# Altium PCB BytePipe_x9002_HDK_Rev2.PcbDoc (part 1 of 5)
Units mil, origin at the board's own origin, x right, y up, seen from the top; angles counter-clockwise.
Board outline 4250 x 4250 mil, 8 copper layers (Top Layer, L2-GND, L3-SIG, L4-GND, L5-PWR, L6-SIG, L7-GND, Bottom Layer), stack 63 mil thick; 296 components, 250 nets, 1198 pads, 2326 vias.
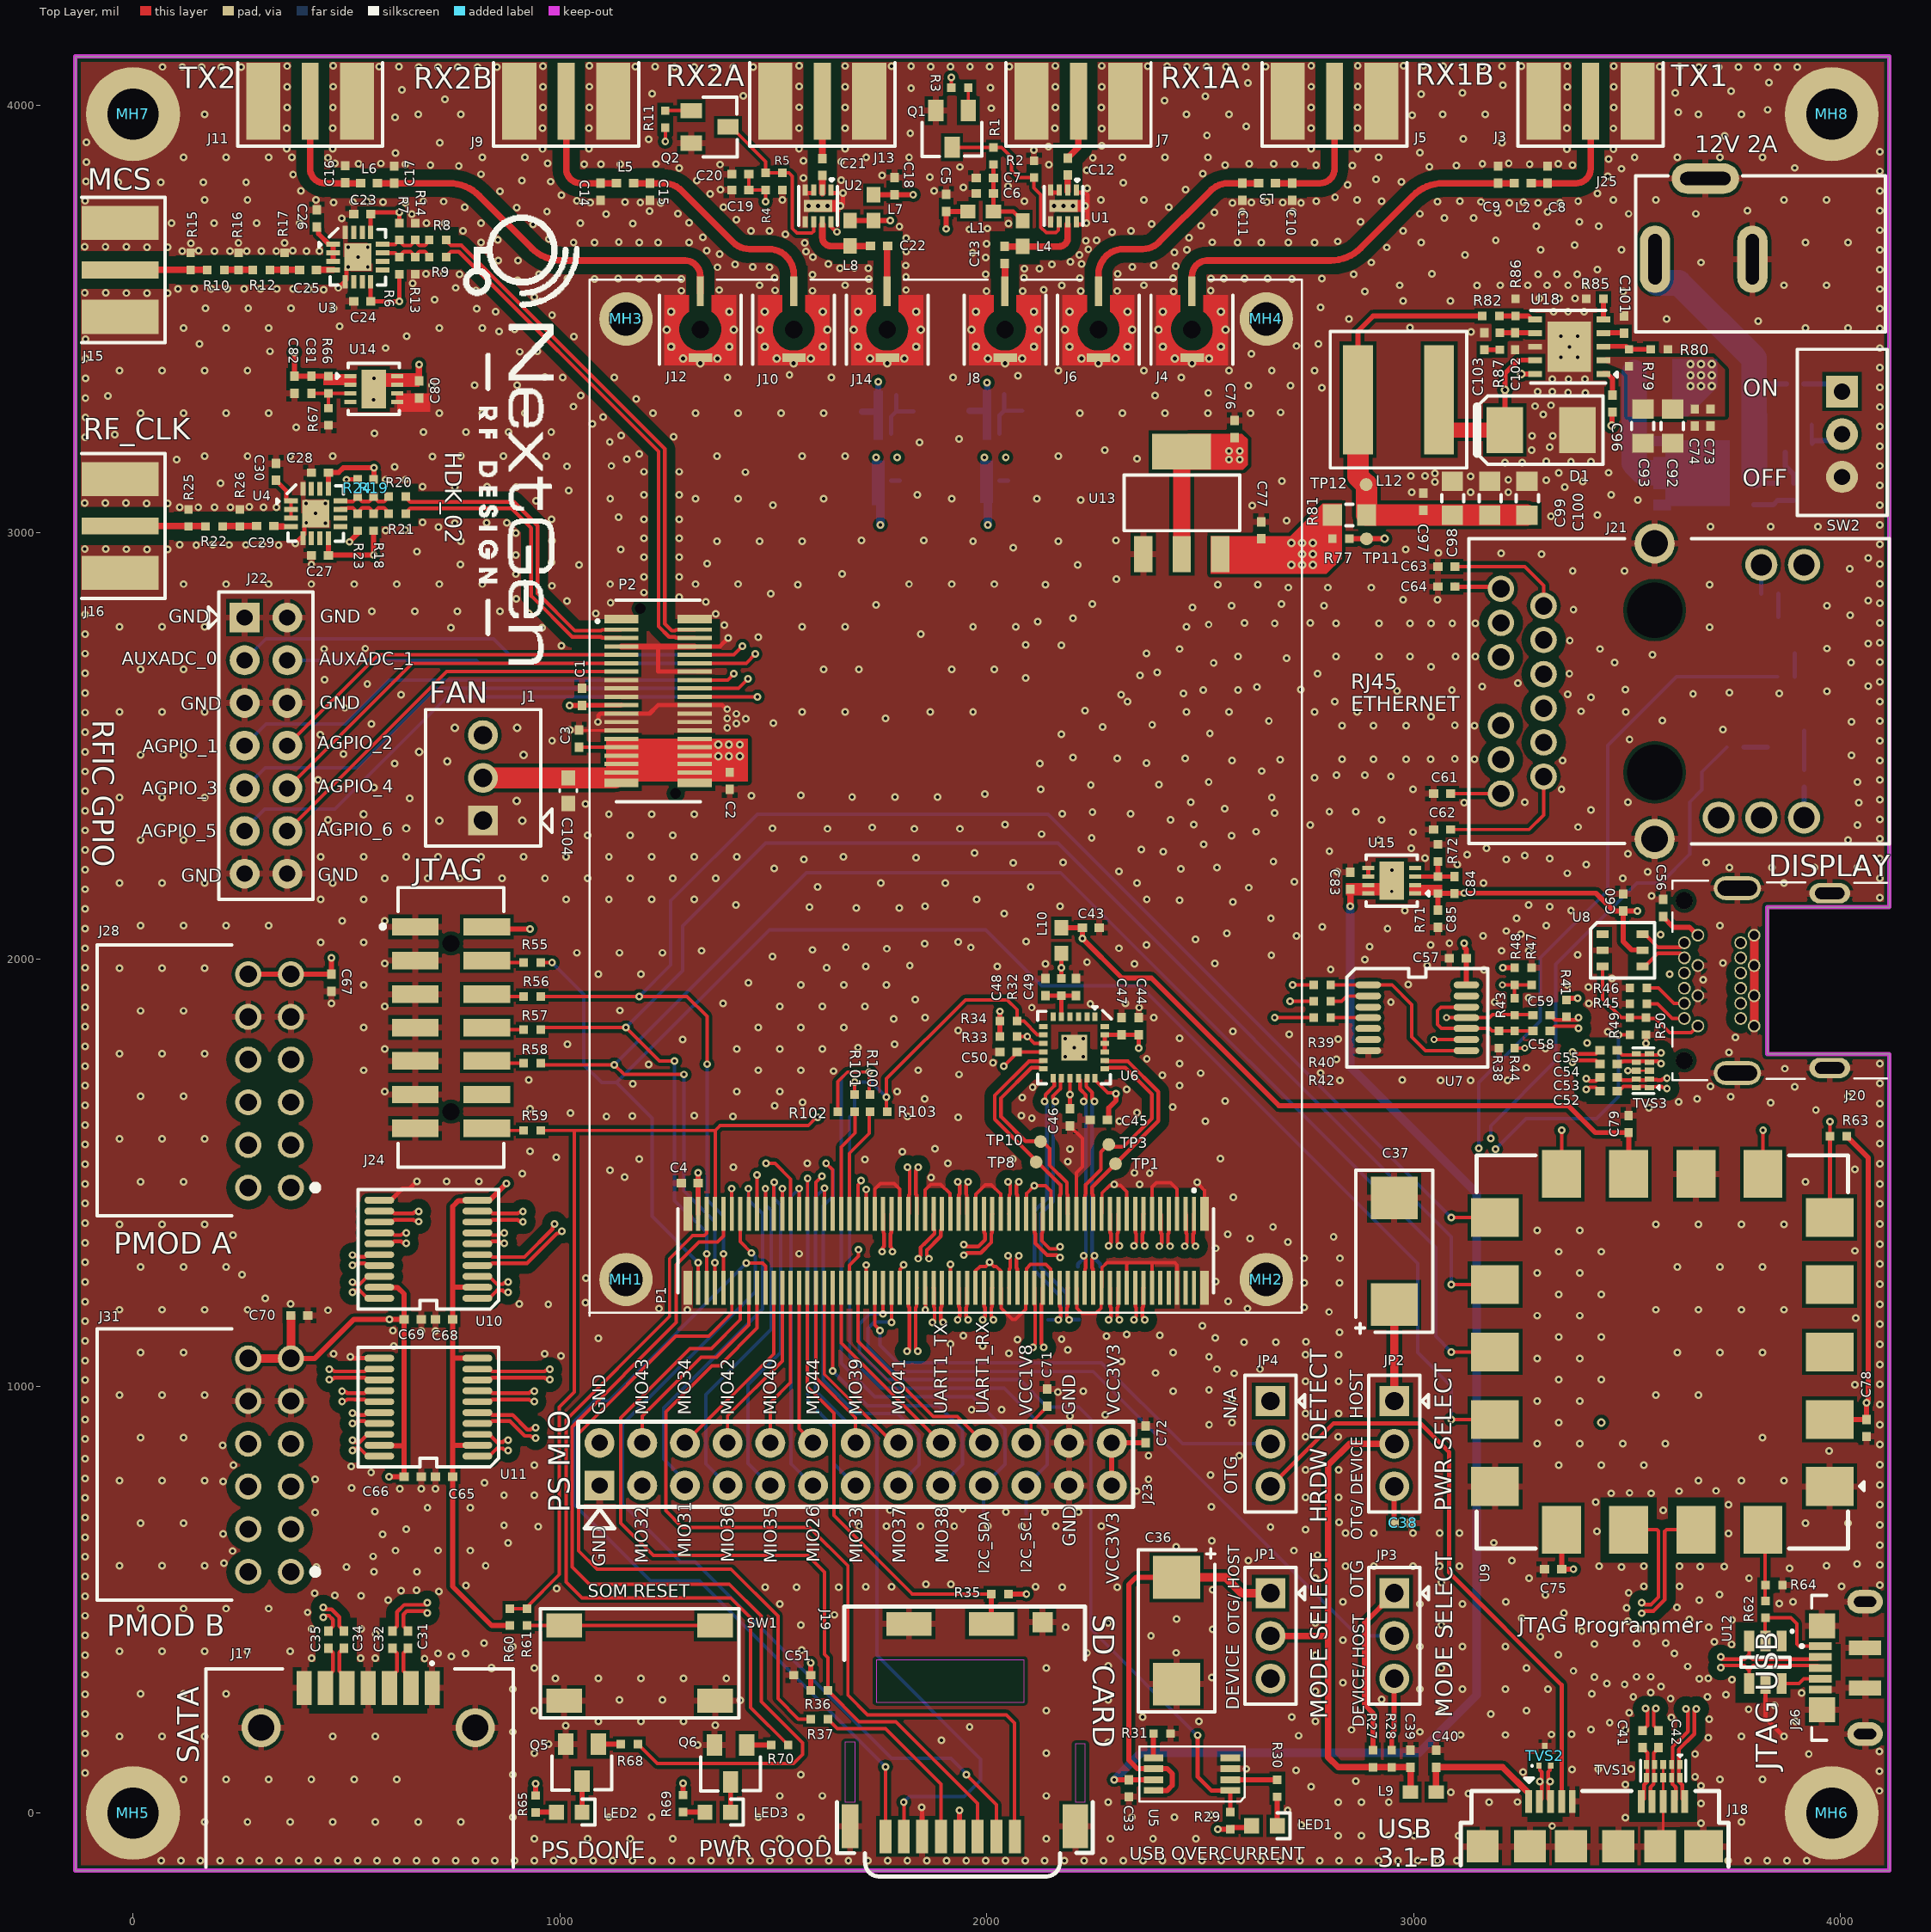
[diagram p0: Top Layer view]
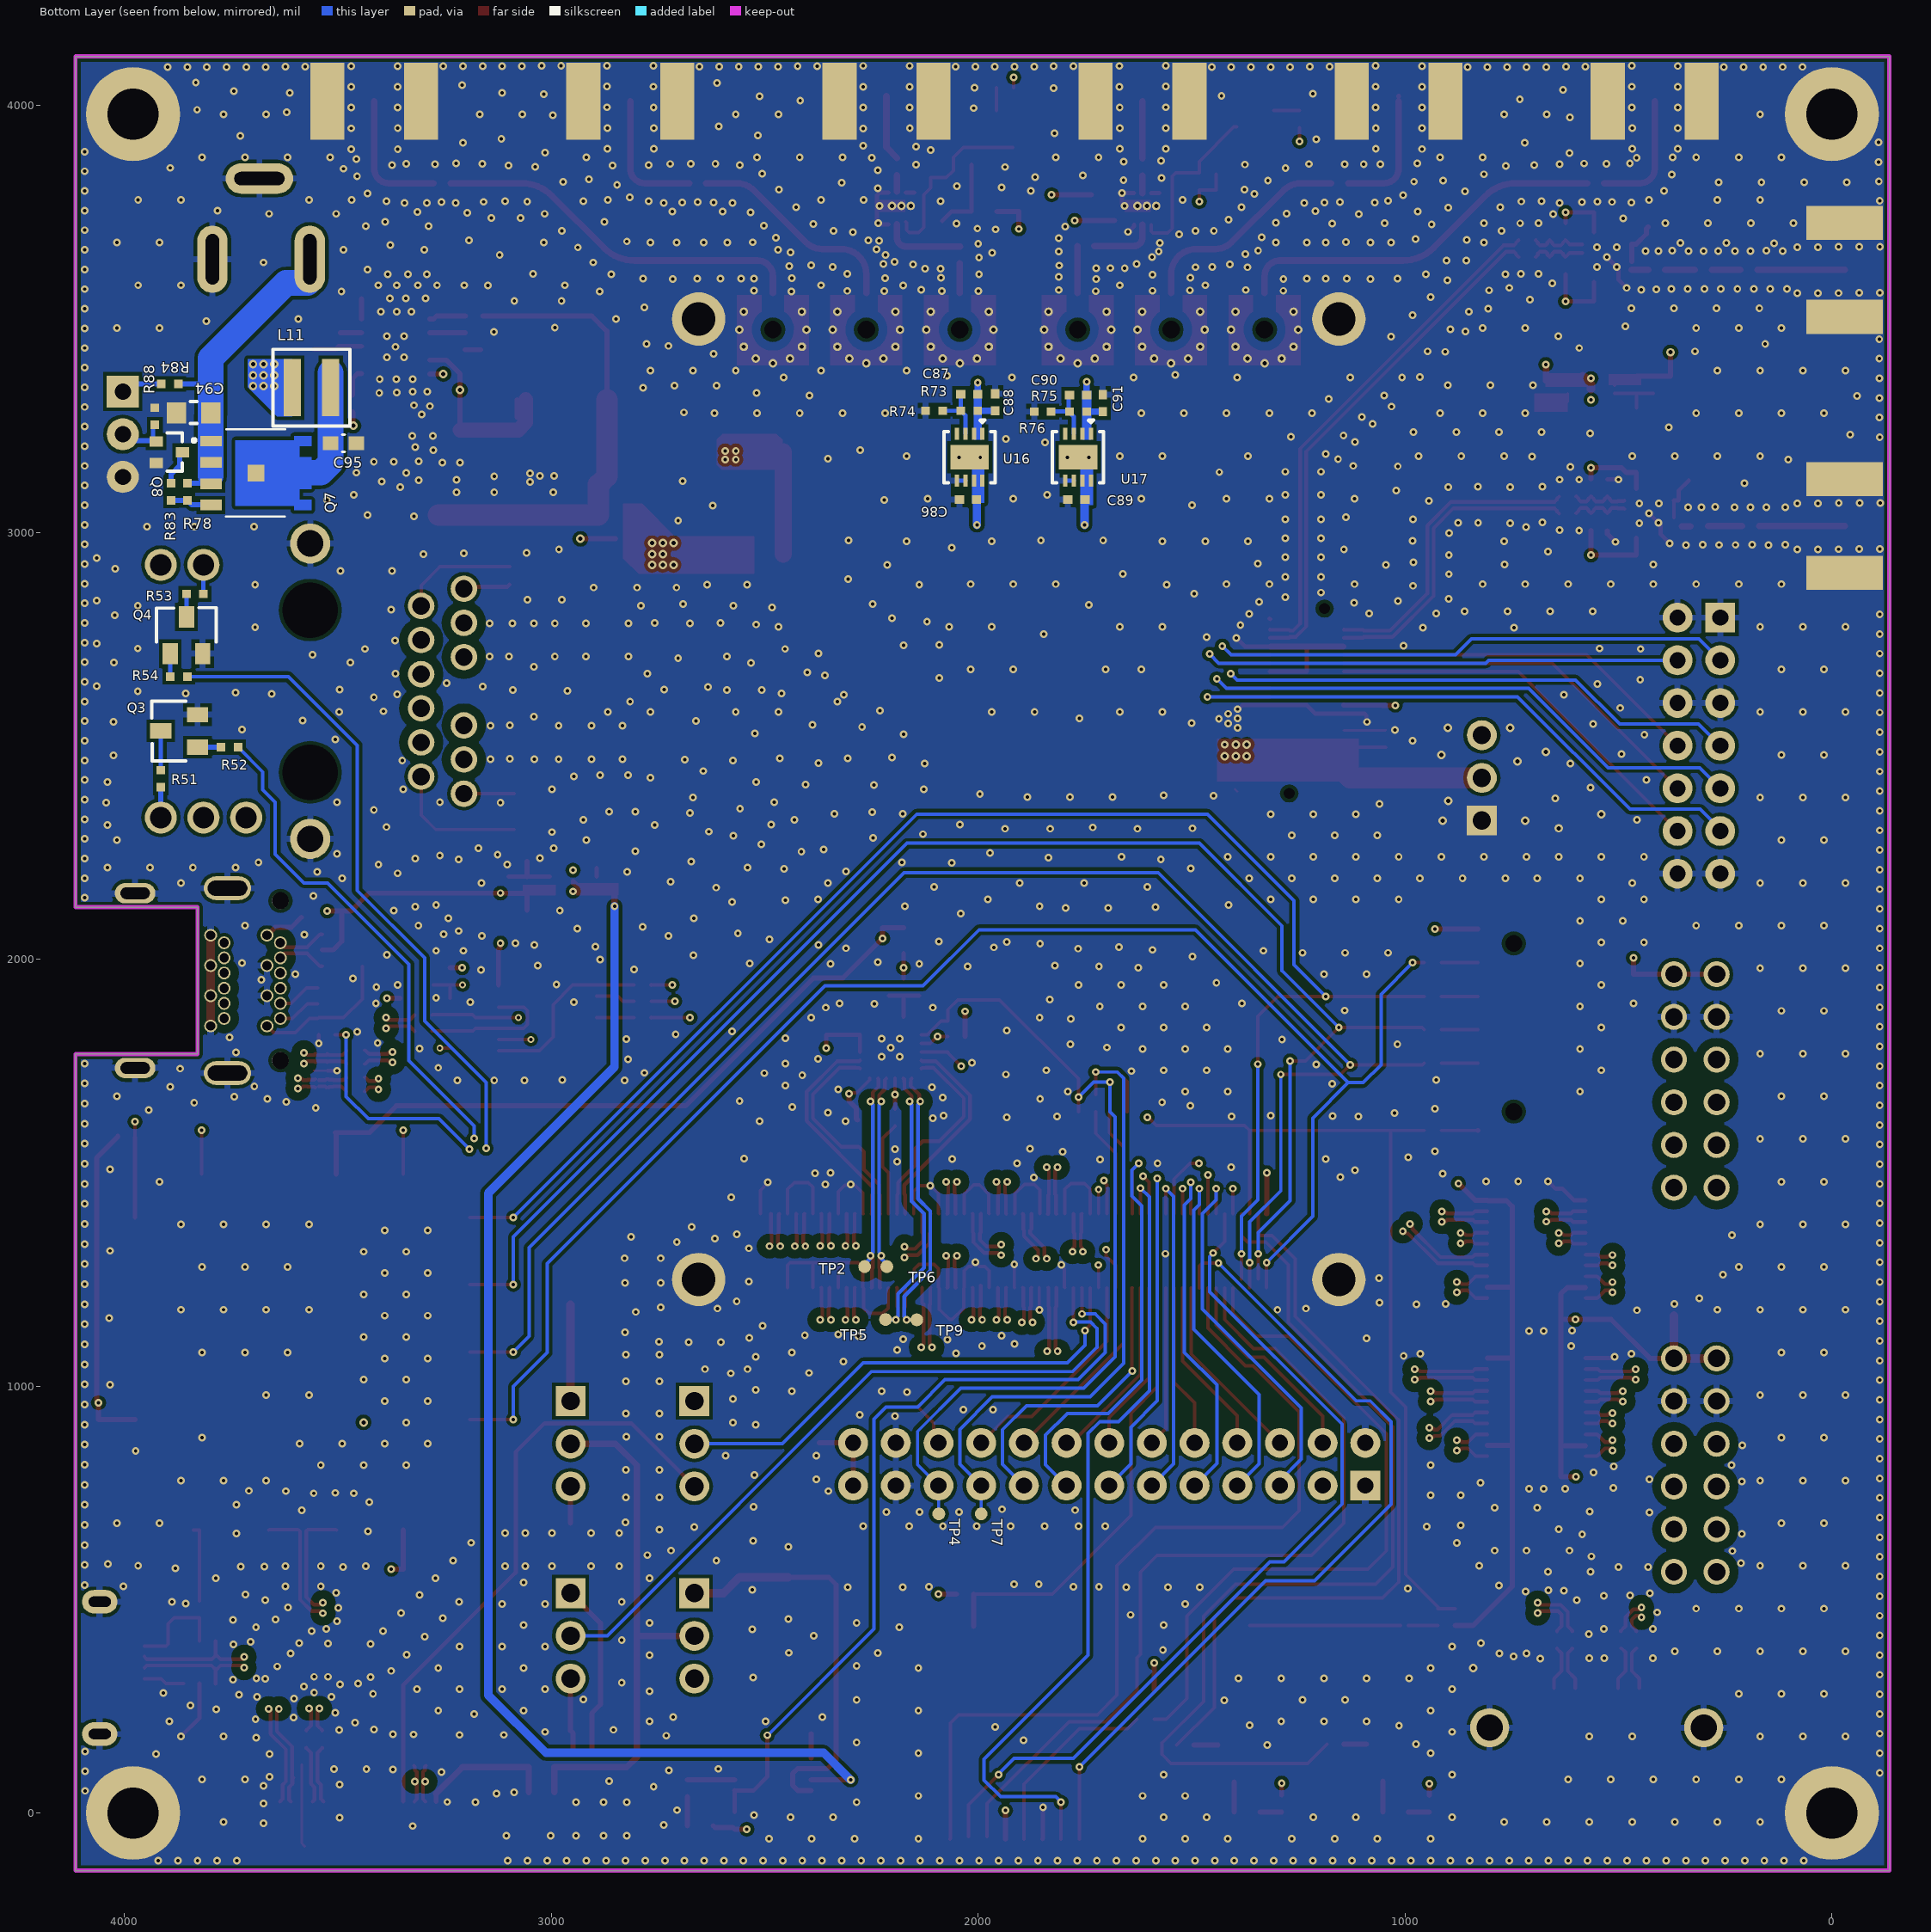
[diagram p1: Bottom Layer view, seen from below]
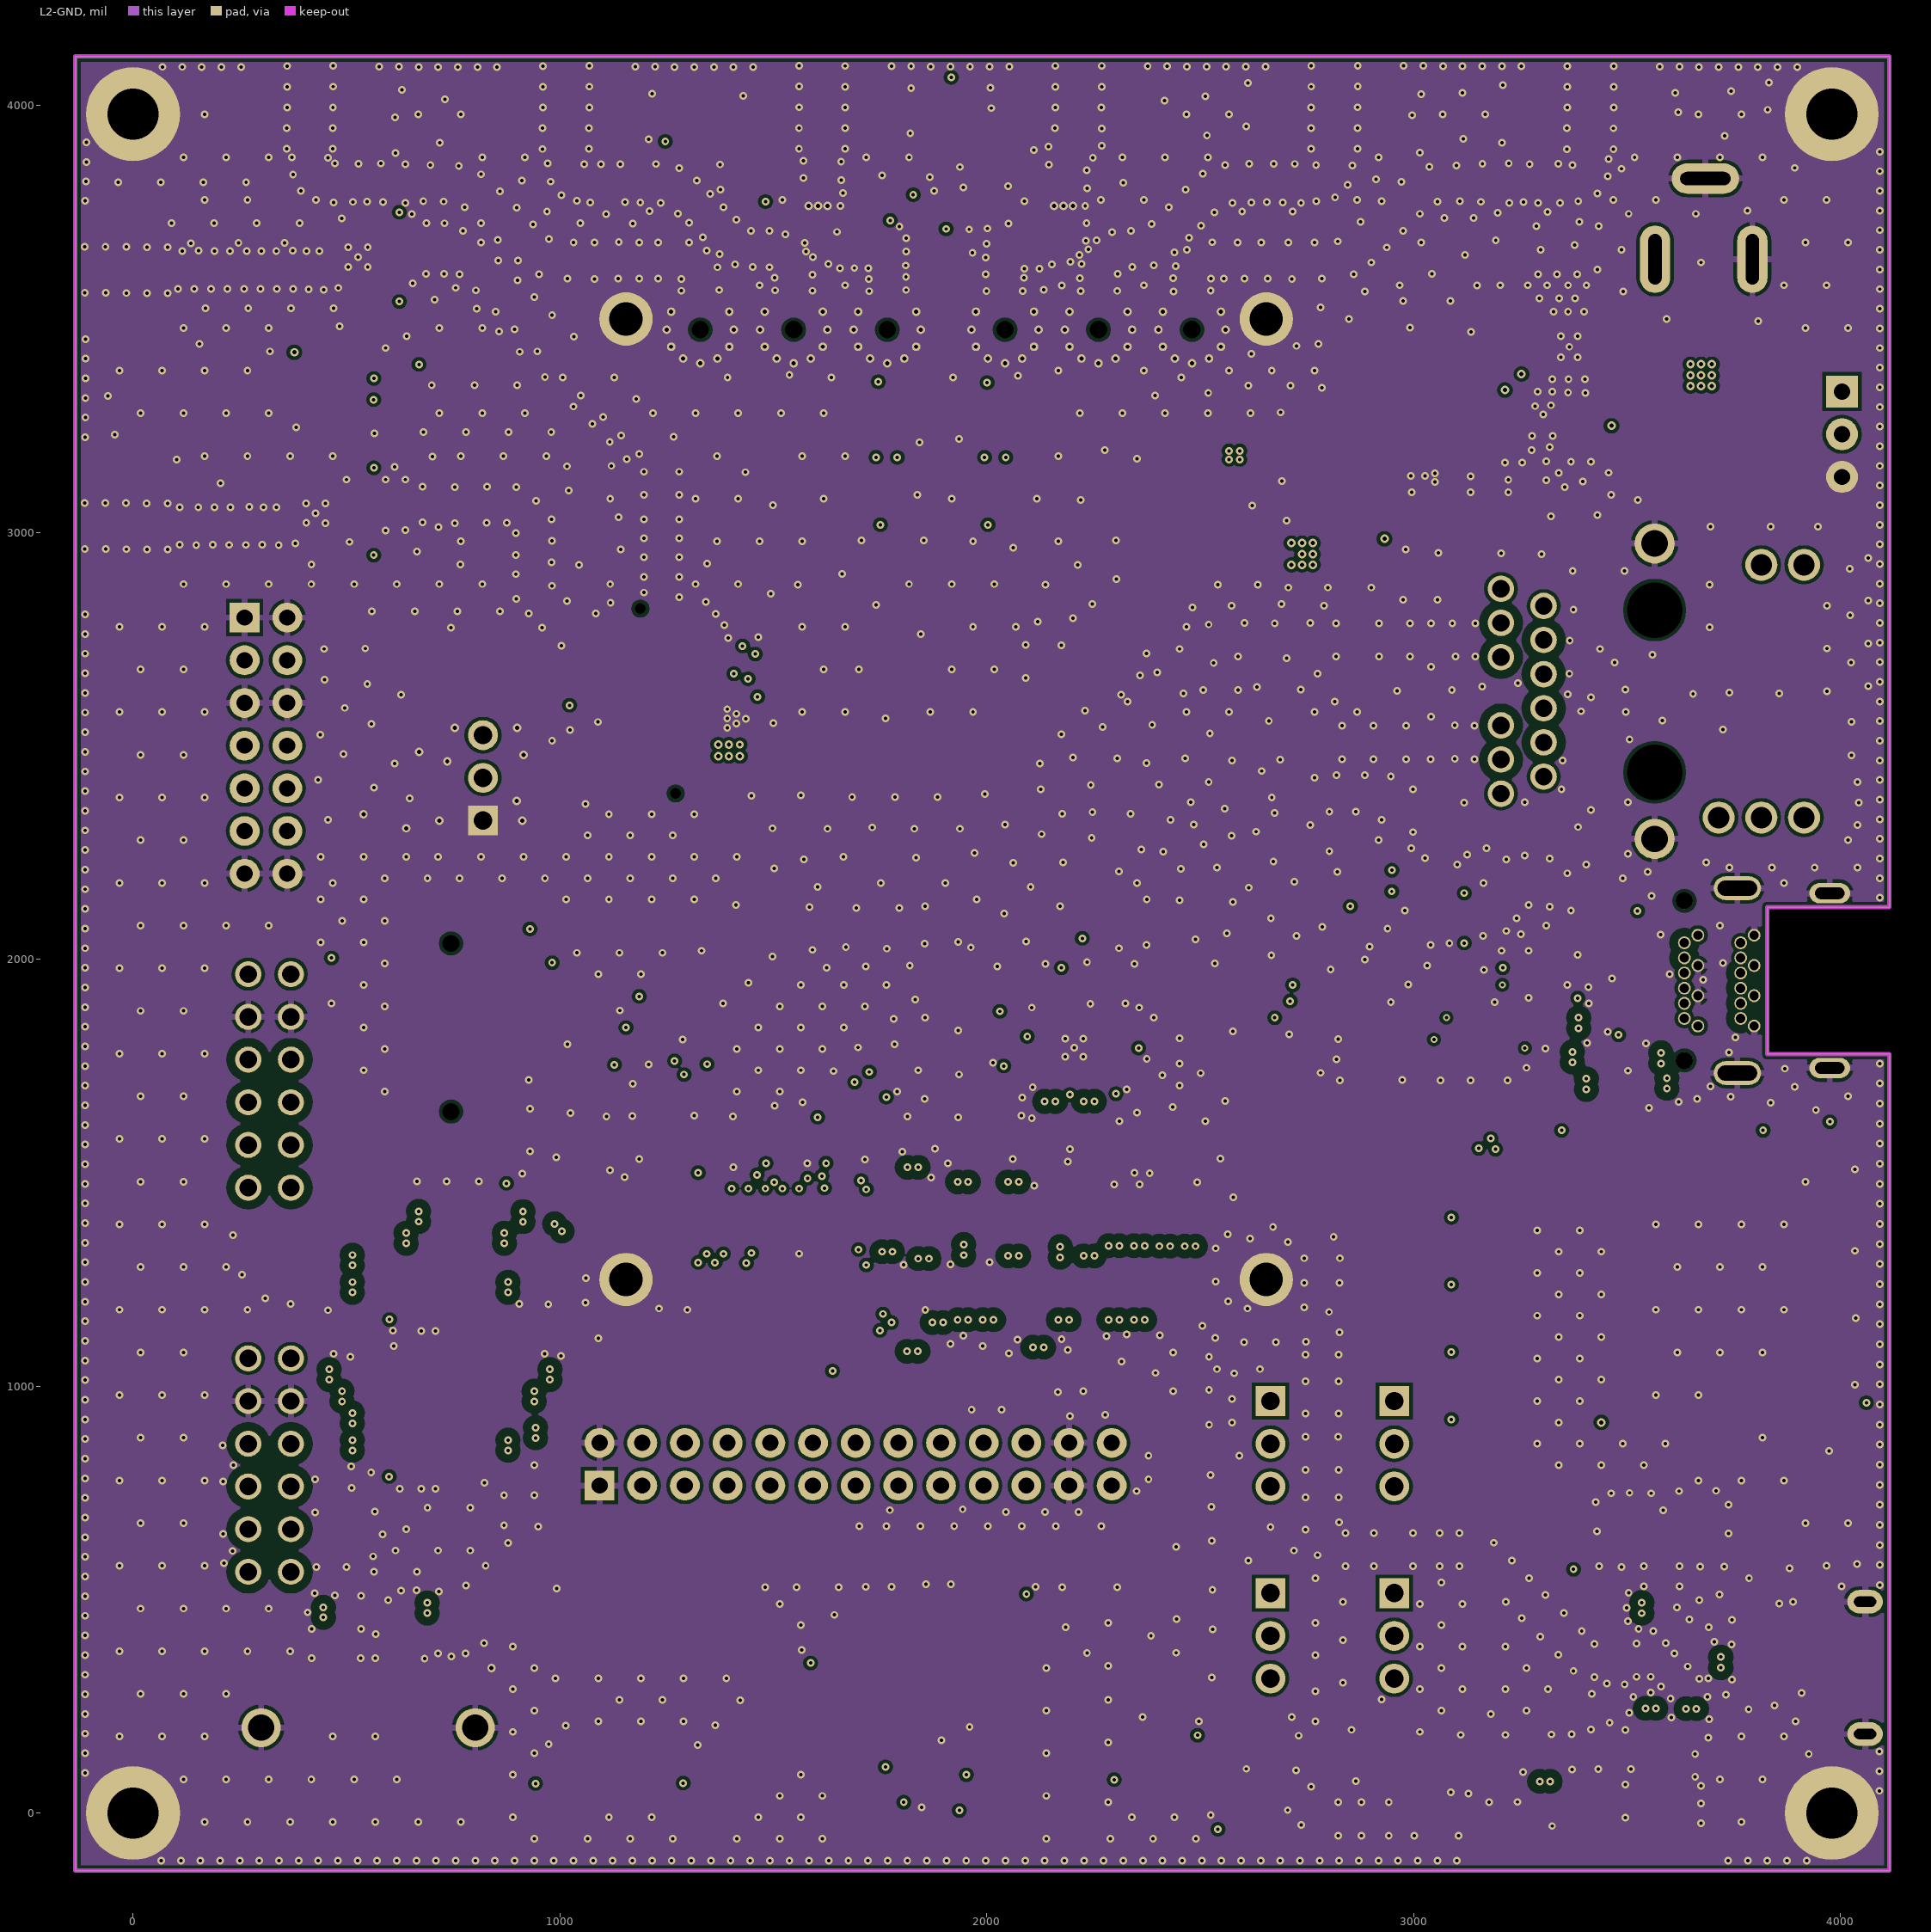
[diagram p2: L2-GND]